# Altium PCB PCB.PcbDoc (part 2 of 3) (continued)
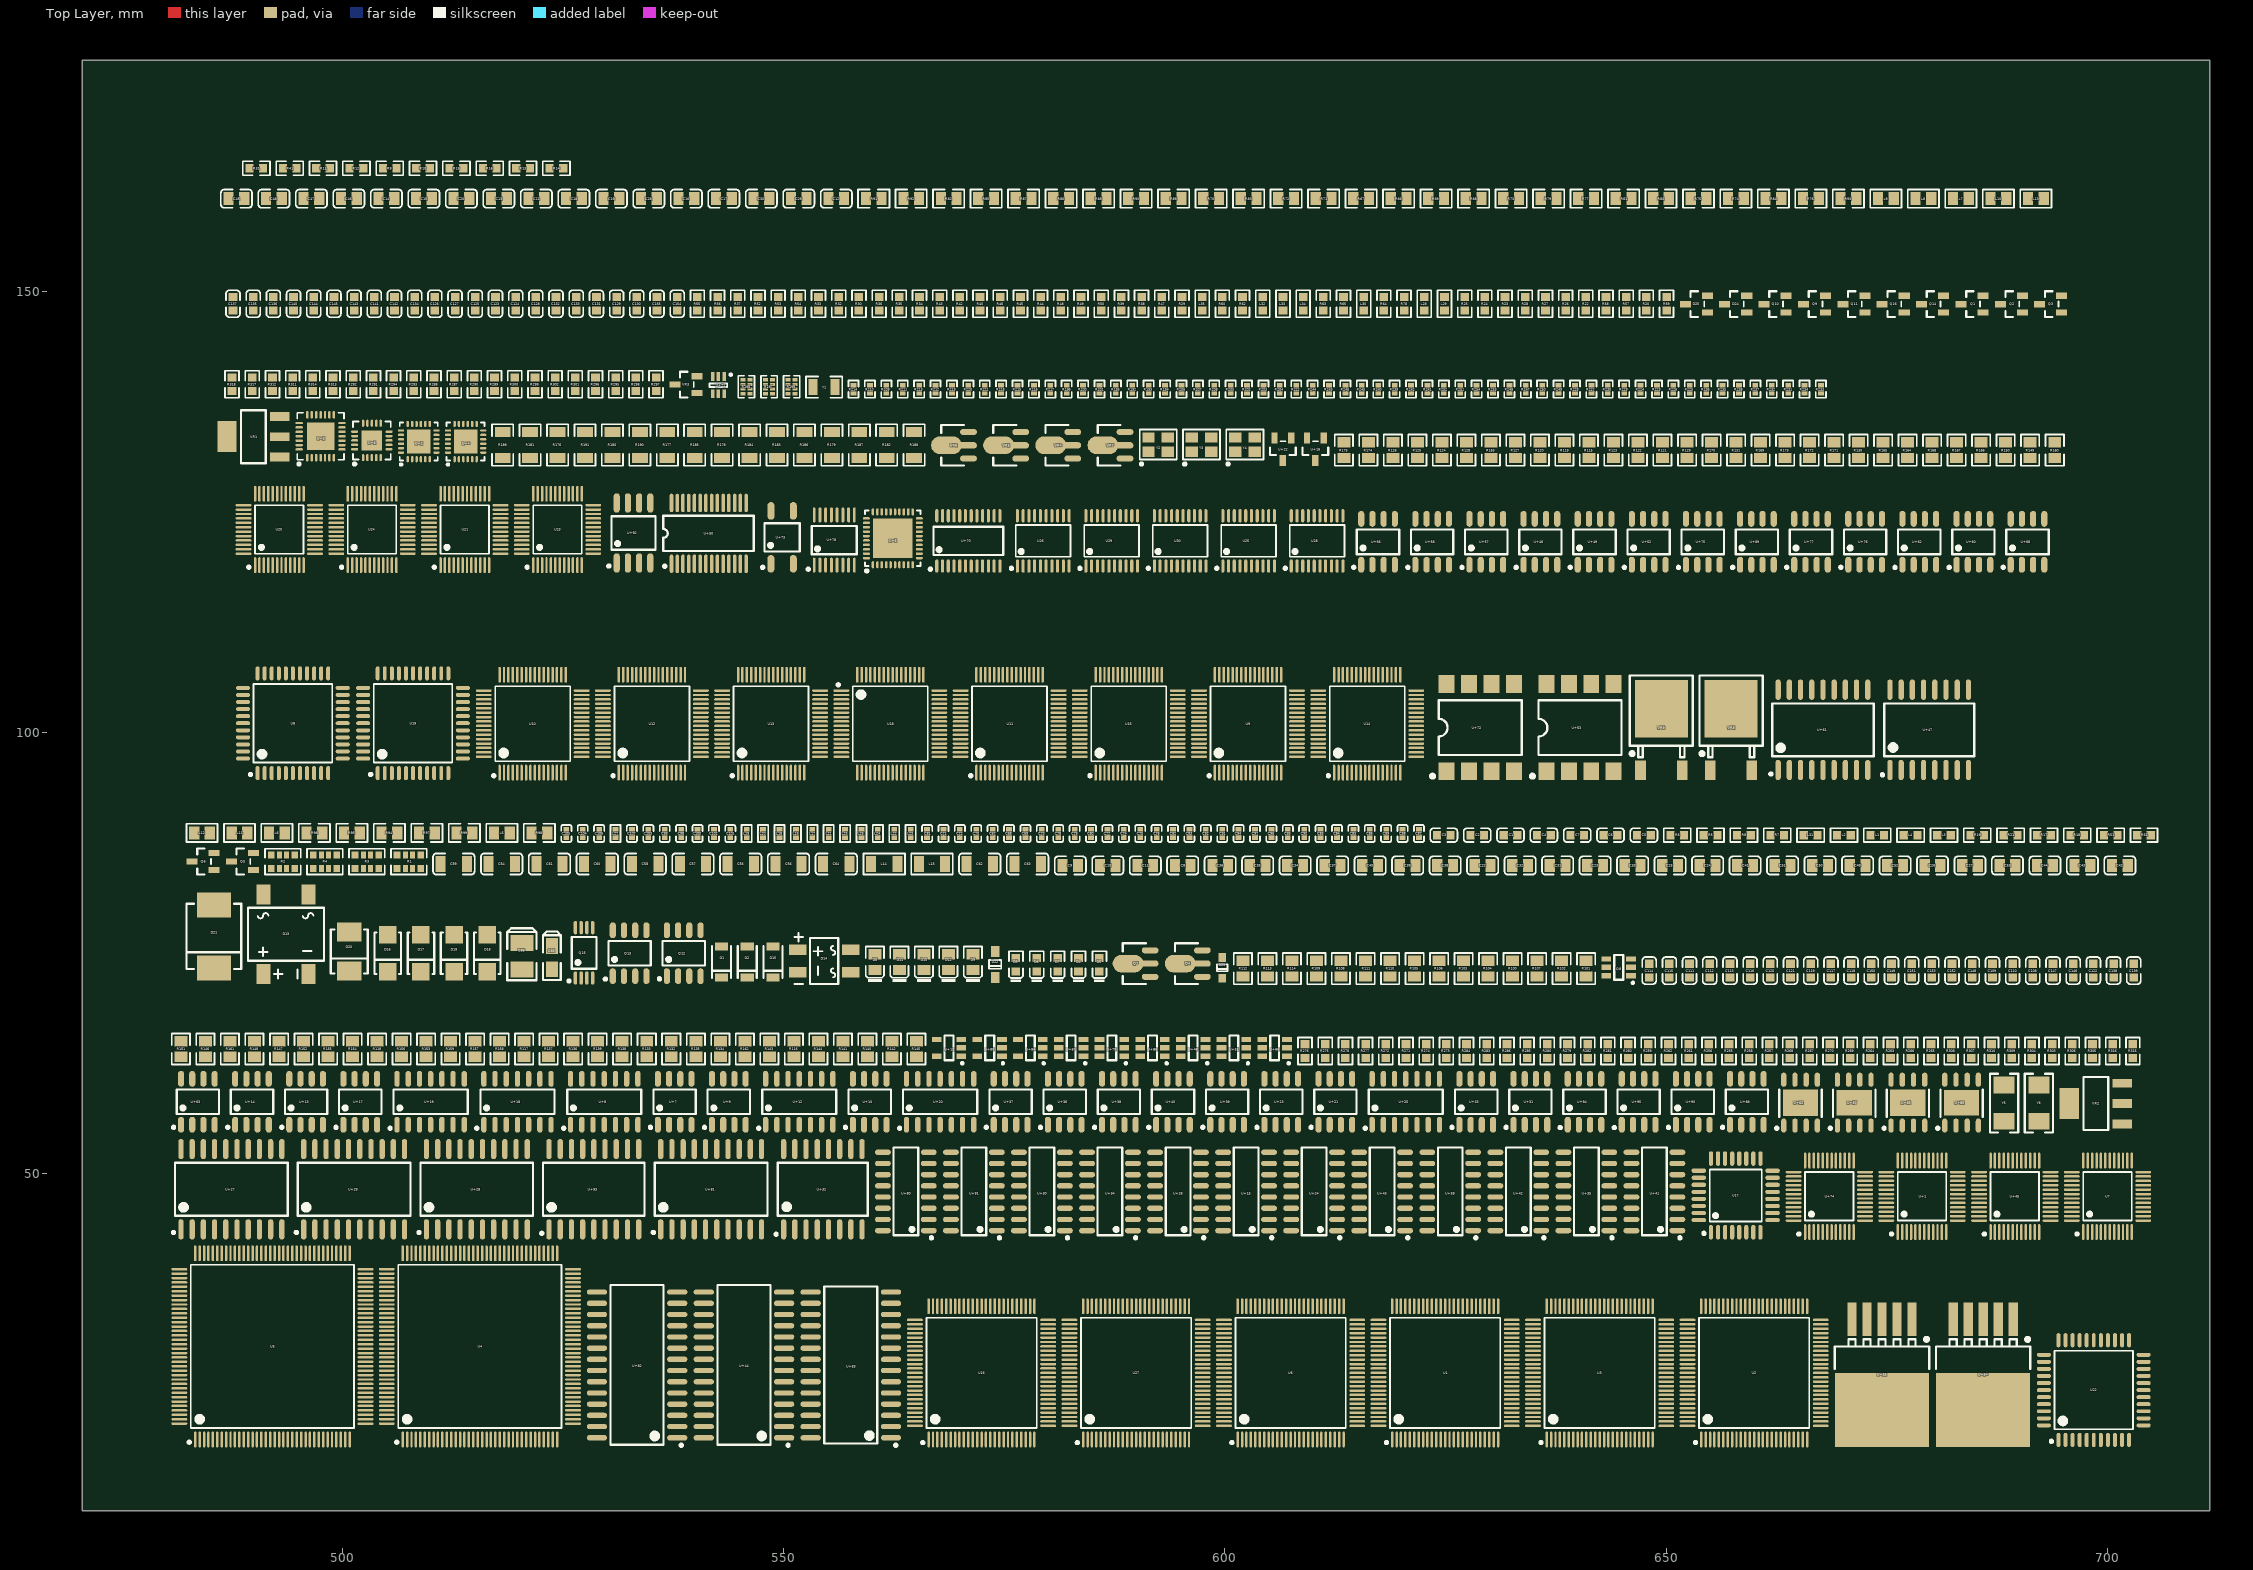
[diagram p0: Top Layer view]
## Part data (continued)
C54: library part "1206 100nF (104) 10% 50V", "贴片电容"
C55: library part "1206 10nF (103) 10% 50V", "贴片电容"
C56: library part "1206 10uF (106) 10% 50V", "贴片电容"
C57: library part "1206 1nF (102) 10% 500V", "贴片电容"
C58: library part "1206 1uF (105) 10% 50V", "贴片电容"
C59: library part "1206 2.2uF (225) 10% 50V", "贴片电容"
C60: library part "1206 220nF (224) 10% 50V", "贴片电容"
C61: library part "1206 220pF (221) 10% 50V", "贴片电容"
C62: library part "1206 4.7uF (475) 10% 50V", "贴片电容"
C63: library part "1206 470nF (474) 10% 50V", "贴片电容"
C64: library part "1206 470pF (471) 10% 50V", "贴片电容"
C65: library part "3216 10uF (106) 10% 16V", "钽电容"
C66: library part "3528 100uF (107) 10% 6.3V", "钽电容"
C67: library part "0402 1.0uF (105) 10% 25V", "贴片电容"
C68: library part "0402 1.5nF (152) 10% 50V", "贴片电容"
C69: library part "0402 1.5pF (1R5) 0.25pF 50V", "贴片电容"
C70: library part "0402 100nF (104) 10% 16V", "贴片电容"
C71: library part "0402 100pF (101) 5% 50V", "贴片电容"
C72: library part "0402 10nF (103) 10% 50V", "贴片电容"
C73: library part "0402 10pF (100) 5% 50V", "贴片电容"
C74: library part "0402 10uF (106) 20% 6.3V", "贴片电容"
C75: library part "0402 12pF (120) 5% 50V", "贴片电容"
C76: library part "0402 150pF (151) 10% 50V", "贴片电容"
C77: library part "0402 15pF (150) 5% 50V", "贴片电容"
C78: library part "0402 18pF (180) 5% 50V", "贴片电容"
C79: library part "0402 1nF (102) 10% 50V", "贴片电容"
C80: library part "0402 1pF (1R0) 0.25pF 50V", "贴片电容"
C81: library part "0402 2.0pF (2R0) 0.25pF 50V", "贴片电容"
C82: library part "0402 2.2nF (222) 10% 50V", "贴片电容"
C83: library part "0402 2.2pF (2R2) 0.25pF 50V", "贴片电容"
C84: library part "0402 2.7pF (2R7) 0.25pF 50V", "贴片电容"
C85: library part "0402 20pF (200) 5% 50V", "贴片电容"
C86: library part "0402 220nF (224) 10% 16V", "贴片电容"
C87: library part "0402 220pF (221) 10% 50V", "贴片电容"
C88: library part "0402 22nF (223) 10% 50V", "贴片电容"
C89: library part "0402 22pF (220) 5% 50V", "贴片电容"
C90: library part "0402 27pF (270) 5% 50V", "贴片电容"
C91: library part "0402 3.3nF (332) 10% 50V", "贴片电容"
C92: library part "0402 3.3pF (3R3) 0.25pF 50V", "贴片电容"
C93: library part "0402 30pF (300) 5% 50V", "贴片电容"
C94: library part "0402 330pF (331) 5% 50V", "贴片电容"
C95: library part "0402 33nF (333) 20% 50V", "贴片电容"
C96: library part "0402 33pF (330) 5% 50V", "贴片电容"
C97: library part "0402 4.7nF (472) 10% 50V", "贴片电容"
C98: library part "0402 4.7pF (4R7) 0.25pF 50V", "贴片电容"
C99: library part "0402 4.7uF (475) 20% 10V", "贴片电容"
C100: library part "0402 470nF (474) 10% 10V", "贴片电容"
C101: library part "0402 470pF (471) 10% 50V", "贴片电容"
C102: library part "0402 47pF (470) 5% 50V", "贴片电容"
C103: library part "0402 56pF (560) 5% 50V", "贴片电容"
C104: library part "0402 6.0pF (6R0) 0.25pF 50V NPO", "贴片电容"
C105: library part "0402 6.8nF (682) 10% 50V", "贴片电容"
C106: library part "0402 6.8pF (6R8) 0.25pF 50V", "贴片电容"
C107: library part "0402 68pF (680) 5% 50V", "贴片电容"
C108: library part "0603 1.0pF (010) 0.25pF 50V", "贴片电容"
C109: library part "0603 1.2nF (122) 10% 50V", "贴片电容"
C110: library part "0603 1.5nF (152) 10% 50V", "贴片电容"
C111: library part "0603 1.5pF (1R5) 0.25pF 50V", "贴片电容"
C112: library part "0603 100nF (104) 10% 50V", "贴片电容"
C113: library part "0603 100pF (101) 5% 50V", "贴片电容"
C114: library part "0603 10nF (103) 10% 50V", "贴片电容"
C115: library part "0603 10pF (100) 5% 50V", "贴片电容"
C116: library part "0603 10uF (106) 10% 10V", "贴片电容"
C117: library part "0603 12nF (123) 10% 50V", "贴片电容"
C118: library part "0603 12pF (120) 5% 50V", "贴片电容"
C119: library part "0603 150pF (151) 10% 50V", "贴片电容"
C120: library part "0603 15nF (153) 10% 50V", "贴片电容"
C121: library part "0603 15pF (150) 5% 50V", "贴片电容"
C122: library part "0603 18pF (180) 5% 50V", "贴片电容"
C123: library part "0603 1nF (102) 10% 50V", "贴片电容"
C124: library part "0603 1uF (105) 10% 50V", "贴片电容"
C125: library part "0603 2.0pF (020) 0.25pF 50V", "贴片电容"
C126: library part "0603 2.2nF (222) 10% 50V", "贴片电容"
C127: library part "0603 2.2uF (225) 10% 16V", "贴片电容"
C128: library part "0603 2.7nF (272) 10% 50V", "贴片电容"
C129: library part "0603 2.7pF (2R7) 0.25pF 50V", "贴片电容"
C130: library part "0603 200pF (201) 10% 50V", "贴片电容"
C131: library part "0603 20pF (200) 5% 50V", "贴片电容"
C132: library part "0603 220nF (224) 10% 25V", "贴片电容"
C133: library part "0603 220pF (221) 10% 50V", "贴片电容"
C134: library part "0603 22nF (223) 10% 50V", "贴片电容"
C135: library part "0603 22pF (220) 5% 50V", "贴片电容"
C136: library part "0603 22uF (226) 20% 6.3V", "贴片电容"
C137: library part "0603 27nF (273) 20% 50V", "贴片电容"
C138: library part "0603 27pF (270) 5% 50V", "贴片电容"
C139: library part "0603 3.3nF (332) 10% 50V", "贴片电容"
C140: library part "0603 30pF (300) 5% 50V", "贴片电容"
C141: library part "0603 330nF (334) 10% 25V", "贴片电容"
C142: library part "0603 330pF (331) 5% 50V", "贴片电容"
C143: library part "0603 33nF (333) 10% 50V", "贴片电容"
C144: library part "0603 33pF (330) 5% 50V", "贴片电容"
C145: library part "0603 3pF (3R0) 0.25pF 50V", "贴片电容"
C146: library part "0603 4.7nF (472) 10% 50V", "贴片电容"
C147: library part "0603 4.7pF (4R7) 0.25pF 50V", "贴片电容"
C148: library part "0603 4.7uF (475) 10% 16V", "贴片电容"
C149: library part "0603 470nF (474) 10% 25V", "贴片电容"
C150: library part "0603 470pF (471) 10% 50V", "贴片电容"
C151: library part "0603 47nF (473) 10% 50V", "贴片电容"
C152: library part "0603 47pF (470) 5% 50V", "贴片电容"
C153: library part "0603 56pF (560) 5% 50V", "贴片电容"
C154: library part "0603 6.8nF (682) 10% 50V", "贴片电容"
C155: library part "0603 6.8pF (6R8) 0.25pF 50V", "贴片电容"
D1: library part "LL-34 ZMM3V3", "稳压二极管"
D2: library part "LL-34 ZMM5V6", "稳压二极管"
D3: library part "0603 白灯", "发光二极管"
D4: library part "0603 红灯", "发光二极管"
D5: library part "0603 绿灯", "发光二极管"
D6: library part "0603 蓝灯", "发光二极管"
D7: library part "0603 黄灯", "发光二极管"
D8: library part "0805 白灯", "发光二极管"
D9: library part "0805 红灯", "发光二极管"
D10: library part "0805 翠绿", "发光二极管"
D11: library part "0805 蓝灯", "发光二极管"
D12: library part "0805 黄灯", "发光二极管"
D13: library part "DBS DB107S", "整流桥"
D14: library part "MBS MB10S", "整流桥"
D15: library part "LL-34 LL4148 LL-34 1206", "开关二极管"
D16: library part "SMA(DO-214AC) M7", "二极管"
D17: library part "SMA(DO-214AC) SS210", "二极管"
D18: library part "SMA(DO-214AC) SS54", "二极管"
D19: library part "SMA(DO-214AC) US1M", "二极管"
D20: library part "SMB/DO-214AA P6SMB6.8CA", "TVS"
D21: library part "SMC(DO-214AB) SS36-E3/57T", "二极管"
D22: library part "SOD-123 B5819W  SL", "肖特基二极管"
D23: library part "SOD-323 1N4148WS T4", "二极管"
D24: library part "SOT-23 BAV70 A4", "开关二极管"
D25: library part "SOT-23 BAV99 A7W", "开关二极管"
L1: library part "0603 4.7uH 10%", "贴片电感"
L2: library part "0603 47nH", "贴片电感"
L3: library part "0603 68nH 5% 0603", "贴片电感"
L4: library part "0603 8.2nH 5%", "贴片电感"
L5: library part "0805 100uH 10%", "贴片电感"
L6: library part "0805 100Ω 25% 100MHz", "贴片磁珠"
L7: library part "0805 10uH 10%", "贴片电感"
L8: library part "0805 1uH 10%", "贴片电感"
L9: library part "0805 2.2uH 10%", "贴片电感"
L10: library part "0805 22uH 10%", "贴片电感"
L11: library part "0805 3.3uH10%", "贴片电感"
L12: library part "0805 47uH 10%", "贴片电感"
L13: library part "0805 600Ω 25% 100MHz", "贴片磁珠"
L14: library part "1206 10uH 10%", "贴片电感"
L15: library part "1206 4.7uH  10%", "贴片电感"
L16: library part "0402 10nH 5%", "贴片电感"
L17: library part "0402 12nH  5%", "贴片电感"
L18: library part "0402 15nH 5%", "贴片电感"
L19: library part "0402 18nH", "贴片电感"
L20: library part "0402 2.7nH 0.3nH", "贴片电感"
L21: library part "0402 27nH 5%", "贴片电感"
L22: library part "0402 3.3nH 0.3nH", "贴片电感"
L23: library part "0402 3.9nH 3%", "贴片电感"
L24: library part "0402 39nH", "贴片电感"
L25: library part "0402 4.7nH 0.3nH", "贴片电感"
L26: library part "0402 6.8nH 5%", "贴片电感"
L27: library part "0402 8.2nH 5%", "贴片电感"
L28: library part "0603 10nH 5%", "贴片电感"
L29: library part "0603 10uH 10%", "贴片电感"
L30: library part "0603 12nH 5%", "贴片电感"
L31: library part "0603 22nH 5%", "贴片电感"
L32: library part "0603 27nH 5%", "贴片电感"
L33: library part "0603 3.9nH 0.3nH", "贴片电感"
L34: library part "0603 33nH 5%", "贴片电感"
L35: library part "0603 4.7nH 0.3nH", "贴片电感"
Q1: library part "SOT-23 2SC3356-T1B-A    S/YS档", "三极管"
Q2: library part "SOT-23 MMBT5551  G1", "三极管"
Q3: library part "SOT-23 SS8050 Y1", "三极管"
Q4: library part "SOT-89 D882", "三极管"
Q5: library part "SOT-23 MMBT5401 2L", "三极管"
Q6: library part "SOT-23 SS8550 Y2", "三极管"
Q7: library part "SOT-89 B772 160-320", "三极管"
Q8 Q9 Q10 Q11 Q12 Q13 Q14 Q15 Q16: "MOS(场效应管)"
R1: library part "0603*4  10KΩ (103) 5%", "贴片排阻"
R2: library part "0603*4  1KΩ (102) 5%", "贴片排阻"
R3: library part "0603*4  4.7KΩ (472) 5%", "贴片排阻"
R4: library part "0603*4 470Ω (471) 5%", "贴片排阻"
R5: library part "0603 330KΩ (3303) 1%", "贴片电阻"
R6: library part "0603 330Ω (3300) 1%", "贴片电阻"
R7: library part "0603 33KΩ (3302) 1%", "贴片电阻"
R8: library part "0603 33Ω (33R0) 1%", "贴片电阻"
R9: library part "0603 360KΩ (3603) 1%", "贴片电阻"
R10: library part "0603 360Ω (3600) 1%", "贴片电阻"
R11: library part "0603 36KΩ (3602) 1%", "贴片电阻"
R12: library part "0603 390KΩ (3903) 1%", "贴片电阻"
R13: library part "0603 390Ω (3900) 1%", "贴片电阻"
R14: library part "0603 39KΩ (3902) 1%", "贴片电阻"
R15: library part "0603 3KΩ (3001) 1%", "贴片电阻"
R16: library part "0603 3MΩ (3004) 1%", "贴片电阻"
R17: library part "0603 4.3KΩ (4301) 1%", "贴片电阻"
R18: library part "0603 4.7KΩ (4701) 1%", "贴片电阻"
R19: library part "0603 4.7MΩ (4704) 1%", "贴片电阻"
R20: library part "0603 4.7Ω (4R70) 1%", "贴片电阻"
R21: library part "0603 4.99KΩ (4991) 1%", "贴片电阻"
R22: library part "0603 40.2KΩ (4022) 1%", "贴片电阻"
R23: library part "0603 430KΩ (4303) 1%", "贴片电阻"
R24: library part "0603 430Ω (4300) 1%", "贴片电阻"
R25: library part "0603 43KΩ (4302) 1%", "贴片电阻"
R26: library part "0603 470KΩ (4703) 1%", "贴片电阻"
R27: library part "0603 470Ω (4700) 1%", "贴片电阻"
R28: library part "0603 47KΩ (4702) 1%", "贴片电阻"
R29: library part "0603 47Ω (47R0) 1%", "贴片电阻"
R30: library part "0603 49.9KΩ (4992) 1%", "贴片电阻"
R31: library part "0603 49.9Ω (49R9) 1%", "贴片电阻"
R32: library part "0603 5.1KΩ (5101) 1%", "贴片电阻"
R33: library part "0603 5.1MΩ (5104) 1%", "贴片电阻"
R34: library part "0603 5.1Ω (5R10) 1%", "贴片电阻"
R35: library part "0603 5.6KΩ (5601) 1%", "贴片电阻"
R36: library part "0603 510KΩ (5103) 1%", "贴片电阻"
R37: library part "0603 510Ω (5100) 1%", "贴片电阻"
R38: library part "0603 51KΩ (5102) 1%", "贴片电阻"
R39: library part "0603 51Ω (51R0) 1%", "贴片电阻"
R40: library part "0603 560KΩ (5603) 1%", "贴片电阻"
R41: library part "0603 560Ω (5600) 1%", "贴片电阻"
R42: library part "0603 56KΩ (5602) 1%", "贴片电阻"
R43: library part "0603 56Ω (56R0) 1%", "贴片电阻"
R44: library part "0603 6.2KΩ (6201) 1%", "贴片电阻"
R45: library part "0603 6.8KΩ (6801) 1%", "贴片电阻"
R46: library part "0603 620KΩ (6203) 1%", "贴片电阻"
R47: library part "0603 620Ω (6200) 1%", "贴片电阻"
R48: library part "0603 62KΩ (6202) 1%", "贴片电阻"
R49: library part "0603 680KΩ (6803) 1%", "贴片电阻"
R50: library part "0603 680Ω (6800) 1%", "贴片电阻"
R51: library part "0603 68KΩ (6802) 1%", "贴片电阻"
R52: library part "0603 68Ω (68R0) 1%", "贴片电阻"
R53: library part "0603 7.5KΩ (7501) 1%", "贴片电阻"
R54: library part "0603 750KΩ (7503) 1%", "贴片电阻"
R55: library part "0603 750Ω (7500) 1%", "贴片电阻"
R56: library part "0603 75KΩ (7502) 1%", "贴片电阻"
R57: library part "0603 75Ω (75R0) 1%", "贴片电阻"
R58: library part "0603 8.2KΩ (8201) 1%", "贴片电阻"
R59: library part "0603 820Ω (8200) 1%", "贴片电阻"
R60: library part "0603 82KΩ (8202) 1%", "贴片电阻"
R61: library part "0603 82Ω (82R0) 1%", "贴片电阻"
R62: library part "0603 9.1KΩ (9101) 1%", "贴片电阻"
R63: library part "0603 910Ω (9100) 1%", "贴片电阻"
R64: library part "0603 91KΩ (9102) 1%", "贴片电阻"
R65: library part "0603 91Ω (91R0) 1%", "贴片电阻"
R66: library part "0805 0Ω (0R0) 1%", "贴片电阻"
R67: library part "0805 1.2KΩ (1201) 1%", "贴片电阻"
R68: library part "0805 1.2MΩ (1204) 1%", "贴片电阻"
R69: library part "0805 1.5KΩ (1501) 1%", "贴片电阻"
R70: library part "0805 1.5MΩ (1504) 1%", "贴片电阻"
R71: library part "0805 1.8KΩ (1801) 1%", "贴片电阻"
R72: library part "0805 1.8MΩ (1804) 1%", "贴片电阻"
R73: library part "0805 100KΩ (1003) 1%", "贴片电阻"
R74: library part "0805 100Ω (1000) 1%", "贴片电阻"
R75: library part "0805 10KΩ (1002) 1%", "贴片电阻"
R76: library part "0805 10MΩ (1005) 1%", "贴片电阻"
R77: library part "0805 10Ω (10R0) 1%", "贴片电阻"
R78: library part "0603 30KΩ (3002) 1%", "贴片电阻"
R79: library part "0805 110KΩ (1103) 1%", "贴片电阻"
R80: library part "0805 11KΩ (1102) 1%", "贴片电阻"
R81: library part "0805 120KΩ (1203) 1%", "贴片电阻"
R82: library part "0805 120Ω (1200) 1%", "贴片电阻"
R83: library part "0805 12KΩ (1202) 1%", "贴片电阻"
R84: library part "0805 13KΩ (1302) 1%", "贴片电阻"
R85: library part "0805 150KΩ (1503) 1%", "贴片电阻"
R86: library part "0805 150Ω (1500) 1%", "贴片电阻"
R87: library part "0805 15KΩ (1502) 1%", "贴片电阻"
R88: library part "0805 15Ω (15R0) 1%", "贴片电阻"
R89: library part "0805 16KΩ (1602) 1%", "贴片电阻"
R90: library part "0805 180KΩ (1803) 1%", "贴片电阻"
R91: library part "0805 180Ω (1800) 1%", "贴片电阻"
R92: library part "0805 18KΩ (1802) 1%", "贴片电阻"
R93: library part "0805 1KΩ (1001) 1%", "贴片电阻"
R94: library part "0805 1MΩ (1004) 1%", "贴片电阻"
R95: library part "0805 1Ω (1R00) 1%", "贴片电阻"
R96: library part "0805 2.2KΩ (2201) 1%", "贴片电阻"
R97: library part "0805 2.2MΩ (2204) 1%", "贴片电阻"
R98: library part "0805 2.2Ω (2R20) 1%", "贴片电阻"
R99: library part "0805 2.4KΩ (2401) 1%", "贴片电阻"
R100: library part "0805 2.7KΩ (2701) 1%", "贴片电阻"
R101: library part "0805 200KΩ (2003) 1%", "贴片电阻"
R102: library part "0805 200Ω (2000) 1%", "贴片电阻"
R103: library part "0805 20KΩ (2002) 1%", "贴片电阻"
R104: library part "0805 20Ω (20R0) 1%", "贴片电阻"
R105: library part "0805 220KΩ (2203) 1%", "贴片电阻"
R106: library part "0805 220Ω (2200) 1%", "贴片电阻"
R107: library part "0805 22KΩ (2202) 1%", "贴片电阻"
R108: library part "0805 22Ω (22R0) 1%", "贴片电阻"
R109: library part "0805 240KΩ (2403) 1%", "贴片电阻"
R110: library part "0805 240Ω (2400) 1%", "贴片电阻"
R111: library part "0805 24KΩ (2402) 1%", "贴片电阻"
R112: library part "0805 270KΩ (2703) 1%", "贴片电阻"
R113: library part "0805 270Ω (2700) 1%", "贴片电阻"
R114: library part "0805 27KΩ (2702) 1%", "贴片电阻"
R115: library part "0805 27Ω (27R0) 1%", "贴片电阻"
R116: library part "0805 2KΩ (2001) 1%", "贴片电阻"
R117: library part "0805 2MΩ (2004) 1%", "贴片电阻"
R118: library part "0805 2Ω (2R00) 1%", "贴片电阻"
R119: library part "0805 3.3KΩ (3301) 1%", "贴片电阻"
R120: library part "0805 3.6KΩ (3601) 1%", "贴片电阻"
R121: library part "0805 3.9KΩ (3901) 1%", "贴片电阻"
R122: library part "0805 300KΩ (3003) 1%", "贴片电阻"
R123: library part "0805 300Ω (3000) 1%", "贴片电阻"
R124: library part "0805 330KΩ (3303) 1%", "贴片电阻"
R125: library part "0805 330Ω (3300) 1%", "贴片电阻"
R126: library part "0805 33KΩ (3302) 1%", "贴片电阻"
R127: library part "0805 33Ω (33R0) 1%", "贴片电阻"
R128: library part "0805 36KΩ (3602) 1%", "贴片电阻"
R129: library part "0805 390KΩ (3903) 1%", "贴片电阻"
R130: library part "0805 390Ω (3900) 1%", "贴片电阻"
R131: library part "0805 39KΩ (3902) 1%", "贴片电阻"
R132: library part "0805 3KΩ (3001) 1%", "贴片电阻"
R133: library part "0805 3MΩ (305) 5%", "贴片电阻"
R134: library part "0805 4.3KΩ (4301) 1%", "贴片电阻"
R135: library part "0805 4.7KΩ (4701) 1%", "贴片电阻"
R136: library part "0805 4.7MΩ (4704) 1%", "贴片电阻"
R137: library part "0805 4.7Ω (4R70) 1%", "贴片电阻"
R138: library part "0805 4.99KΩ (4991) 1%", "贴片电阻"
R139: library part "0805 40.2KΩ (4022) 1%", "贴片电阻"
R140: library part "0805 43KΩ (4302) 1%", "贴片电阻"
R141: library part "0805 470KΩ (4703) 1%", "贴片电阻"
R142: library part "0805 470Ω (4700) 1%", "贴片电阻"
R143: library part "0805 47KΩ (4702) 1%", "贴片电阻"
R144: library part "0805 47Ω (47R0) 1%", "贴片电阻"
R145: library part "0805 49.9KΩ (4992) 1%", "贴片电阻"
R146: library part "0805 49.9Ω (49R9) 1%", "贴片电阻"
R147: library part "0805 5.1KΩ (5101) 1%", "贴片电阻"
R148: library part "0805 5.1MΩ (5104) 1%", "贴片电阻"
R149: library part "0805 5.1Ω (5R10) 1%", "贴片电阻"
R150: library part "0805 5.6KΩ (5601) 1%", "贴片电阻"
R151: library part "0805 510KΩ (5103) 1%", "贴片电阻"
R152: library part "0805 510Ω (5100) 1%", "贴片电阻"
R153: library part "0805 51KΩ (5102) 1%", "贴片电阻"
R154: library part "0805 51Ω (51R0) 1%", "贴片电阻"
R155: library part "0805 560KΩ (5603) 1%", "贴片电阻"
R156: library part "0805 560Ω (5600) 1%", "贴片电阻"
R157: library part "0805 56KΩ (5602) 1%", "贴片电阻"
R158: library part "0805 56Ω (56R0) 1%", "贴片电阻"
R159: library part "0805 6.2KΩ (6201) 1%", "贴片电阻"
R160: library part "0805 6.8KΩ (6801) 1%", "贴片电阻"
R161: library part "0805 62KΩ (6202) 1%", "贴片电阻"
R162: library part "0805 680KΩ (6803) 1%", "贴片电阻"
R163: library part "0805 680Ω (6800) 1%", "贴片电阻"
R164: library part "0805 68KΩ (6802) 1%", "贴片电阻"
R165: library part "0805 68Ω (68R0) 1%", "贴片电阻"
R166: library part "0805 7.5KΩ (7501) 1%", "贴片电阻"
R167: library part "0805 750Ω (7500) 1%", "贴片电阻"
R168: library part "0805 75KΩ (7502) 1%", "贴片电阻"
R169: library part "0805 75Ω (75R0) 1%", "贴片电阻"
R170: library part "0805 8.2KΩ (8201) 1%", "贴片电阻"
R171: library part "0805 820Ω (8200) 1%", "贴片电阻"
R172: library part "0805 82KΩ (8202) 1%", "贴片电阻"
R173: library part "0805 82Ω (82R0) 1%", "贴片电阻"
R174: library part "0805 9.1KΩ (9101) 1%", "贴片电阻"
R175: library part "0805 91KΩ (9102) 1%", "贴片电阻"
R176: library part "1206 0.1Ω (R100) 1%", "贴片电阻"
R177: library part "1206 0Ω (0R0) 1%", "贴片电阻"
R178: library part "1206 1.2MΩ (1204) 1%", "贴片电阻"
R179: library part "1206 100KΩ (1003) 1%", "贴片电阻"
R180: library part "1206 100Ω (1000) 1%", "贴片电阻"
R181: library part "1206 10KΩ (1002) 1%", "贴片电阻"
R182: library part "1206 10Ω (10R0) 1%", "贴片电阻"
R183: library part "1206 180Ω (1800) 1%", "贴片电阻"
R184: library part "1206 1KΩ (1001) 1%", "贴片电阻"
R185: library part "1206 1Ω (1R00) 1%", "贴片电阻"
R186: library part "1206 20Ω (20R0) 1%", "贴片电阻"
R187: library part "1206 22Ω (22R0) 1%", "贴片电阻"
R188: library part "1206 2KΩ (2001) 1%", "贴片电阻"
R189: library part "1206 300Ω (3000) 1%", "贴片电阻"
R190: library part "1206 4.7KΩ (4701) 1%", "贴片电阻"
R191: library part "1206 750Ω (7500) 1%", "贴片电阻"
R192: library part "0402 0Ω (0R0) 1%", "贴片电阻"
R193: library part "0402 1.2KΩ (1201) 1%", "贴片电阻"
R194: library part "0402 1.5KΩ (1501) 1%", "贴片电阻"
R195: library part "0402 100KΩ (1003) 1%", "贴片电阻"
R196: library part "0402 100Ω (1000) 1%", "贴片电阻"
R197: library part "0402*4 10KΩ (103) 5%", "贴片排阻"
R198: library part "0402*4 1KΩ (102) 5%", "贴片排阻"
R199: library part "0402*4 33Ω (330) 5%", "贴片排阻"
R200: library part "0402 10KΩ (1002) 1%", "贴片电阻"
R201: library part "0402 10MΩ (1005) 1%", "贴片电阻"
R202: library part "0402 10Ω (10R0) 1%", "贴片电阻"
R203: library part "0402 120KΩ (1203) 1%", "贴片电阻"
R204: library part "0402 120Ω (1200) 1%", "贴片电阻"
R205: library part "0402 12KΩ (1202) 1%", "贴片电阻"
R206: library part "0402 150KΩ (1503) 1%", "贴片电阻"
R207: library part "0402 150Ω (1500) 1%", "贴片电阻"
R208: library part "0402 15KΩ (1502) 1%", "贴片电阻"
R209: library part "0402 18KΩ (1802) 1%", "贴片电阻"
R210: library part "0402 1KΩ (1001) 1%", "贴片电阻"
R211: library part "0402 1MΩ (1004) 1%", "贴片电阻"
R212: library part "0402 1Ω (1R00) 1%", "贴片电阻"
R213: library part "0402 2.2KΩ (2201) 1%", "贴片电阻"
R214: library part "0402 2.4KΩ (2401) 1%", "贴片电阻"
R215: library part "0402 200KΩ (2003) 1%", "贴片电阻"
R216: library part "0402 200Ω (2000) 1%", "贴片电阻"
R217: library part "0402 20KΩ (2002) 1%", "贴片电阻"
R218: library part "0402 220KΩ (2203) 1%", "贴片电阻"
R219: library part "0402 220Ω (2200) 1%", "贴片电阻"
R220: library part "0402 22KΩ (2202) 1%", "贴片电阻"
R221: library part "0402 22Ω (22R0) 1%", "贴片电阻"
R222: library part "0402 24KΩ (2402) 1%", "贴片电阻"
R223: library part "0402 27KΩ (2702) 1%", "贴片电阻"
R224: library part "0402 2KΩ (2001) 1%", "贴片电阻"
R225: library part "0402 3.3KΩ (3301) 1%", "贴片电阻"
R226: library part "0402 3.9KΩ(3901) 1%", "贴片电阻"
R227: library part "0402 300KΩ (3003) 1%", "贴片电阻"
R228: library part "0402 300Ω (3000) 1%", "贴片电阻"
R229: library part "0402 330KΩ (3303) 1%", "贴片电阻"
R230: library part "0402 330Ω (3300) 1%", "贴片电阻"
R231: library part "0402 33KΩ (3302) 1%", "贴片电阻"
R232: library part "0402 33Ω (33R0) 1%", "贴片电阻"
R233: library part "0402 39KΩ (3902) 1%", "贴片电阻"
R234: library part "0402 4.7KΩ (4701) 1%", "贴片电阻"
R235: library part "0402 470KΩ (4703) 1%", "贴片电阻"
R236: library part "0402 470Ω (4700) 1%", "贴片电阻"
R237: library part "0402 47KΩ (4702) 1%", "贴片电阻"
R238: library part "0402 47Ω (47R0) 1%", "贴片电阻"
R239: library part "0402 49.9KΩ (4992) 1%", "贴片电阻"
R240: library part "0402 49.9Ω (49R9) 1%", "贴片电阻"
R241: library part "0402 5.1KΩ (5101) 1%", "贴片电阻"
R242: library part "0402 5.6KΩ (5601) 1%", "贴片电阻"
R243: library part "0402 510KΩ (5103) 1%", "贴片电阻"
R244: library part "0402 510Ω (5100) 1%", "贴片电阻"
R245: library part "0402 51KΩ (5102) 1%", "贴片电阻"
R246: library part "0402 51Ω (51R0) 1%", "贴片电阻"
R247: library part "0402 56KΩ (5602) 1%", "贴片电阻"
R248: library part "0402 6.8KΩ (6801) 1%", "贴片电阻"
R249: library part "0402 680Ω (6800) 1%", "贴片电阻"
R250: library part "0402 68KΩ (6802) 1%", "贴片电阻"
R251: library part "0402 7.5KΩ (7501) 1%", "贴片电阻"
R252: library part "0402 75KΩ (7502) 1%", "贴片电阻"
R253: library part "0402 75Ω (75R0) 1%", "贴片电阻"
R254: library part "0402 8.2KΩ (8201) 1%", "贴片电阻"
R255: library part "0603 0Ω (0R0) 1%", "贴片电阻"
R256: library part "0603 1.1KΩ (1101) 1%", "贴片电阻"
R257: library part "0603 1.2KΩ (1201) 1%", "贴片电阻"
R258: library part "0603 1.2MΩ (1204) 1%", "贴片电阻"
R259: library part "0603 1.5KΩ (1501) 1%", "贴片电阻"
R260: library part "0603 1.5MΩ (1504) 1%", "贴片电阻"
R261: library part "0603 1.8KΩ (1801) 1%", "贴片电阻"
R262: library part "0603 1.8MΩ (1804) 1%", "贴片电阻"
R263: library part "0603 100KΩ (1003) 1%", "贴片电阻"
R264: library part "0603 100Ω (1000) 1%", "贴片电阻"
R265: library part "0603 10KΩ (1002) 1%", "贴片电阻"
R266: library part "0603 10MΩ (1005) 1%", "贴片电阻"
R267: library part "0603 10Ω (10R0) 1%", "贴片电阻"
R268: library part "0603 110KΩ (1103) 1%", "贴片电阻"
R269: library part "0603 110Ω (1100) 1%", "贴片电阻"
R270: library part "0603 11KΩ (1102) 1%", "贴片电阻"
R271: library part "0603 120KΩ (1203) 1%", "贴片电阻"
R272: library part "0603 120Ω (1200) 1%", "贴片电阻"
R273: library part "0603 12KΩ (1202) 1%", "贴片电阻"
R274: library part "0603 130KΩ (1303) 1%", "贴片电阻"
R275: library part "0603 130Ω (1300) 1%", "贴片电阻"
R276: library part "0603 13KΩ (1302) 1%", "贴片电阻"
R277: library part "0603 150KΩ (1503) 1%", "贴片电阻"
R278: library part "0603 150Ω (1500) 1%", "贴片电阻"
R279: library part "0603 15KΩ (1502) 1%", "贴片电阻"
R280: library part "0603 15Ω (15R0) 1%", "贴片电阻"
R281: library part "0603 160KΩ (1603) 1%", "贴片电阻"
R282: library part "0603 160Ω (1600) 1%", "贴片电阻"
R283: library part "0603 16KΩ (1602) 1%", "贴片电阻"
R284: library part "0603 180KΩ (1803) 1%", "贴片电阻"
R285: library part "0603 180Ω (1800) 1%", "贴片电阻"
R286: library part "0603 18KΩ (1802) 1%", "贴片电阻"
R287: library part "0603 1KΩ (1001) 1%", "贴片电阻"
R288: library part "0603 1MΩ (1004) 1%", "贴片电阻"
R289: library part "0603 1Ω (1R00) 1%", "贴片电阻"
R290: library part "0603 2.2KΩ (2201) 1%", "贴片电阻"
R291: library part "0603 2.2MΩ (2204) 1%", "贴片电阻"
R292: library part "0603 2.2Ω (2R20) 1%", "贴片电阻"
R293: library part "0603 2.4KΩ (2401) 1%", "贴片电阻"
R294: library part "0603 2.7KΩ (2701) 1%", "贴片电阻"
R295: library part "0603 200KΩ (2003) 1%", "贴片电阻"
R296: library part "0603 200Ω (2000) 1%", "贴片电阻"
R297: library part "0603 20KΩ (2002) 1%", "贴片电阻"
R298: library part "0603 20Ω (20R0) 1%", "贴片电阻"
R299: library part "0603 220KΩ (2203) 1%", "贴片电阻"
R300: library part "0603 220Ω (2200) 1%", "贴片电阻"
R301: library part "0603 22KΩ (2202) 1%", "贴片电阻"
R302: library part "0603 22Ω (22R0) 1%", "贴片电阻"
R303: library part "0603 240KΩ (2403) 1%", "贴片电阻"
R304: library part "0603 240Ω (2400) 1%", "贴片电阻"
R305: library part "0603 24KΩ (2402) 1%", "贴片电阻"
R306: library part "0603 24Ω (24R0) 1%", "贴片电阻"
R307: library part "0603 270KΩ (2703) 1%", "贴片电阻"
R308: library part "0603 270Ω (2700) 1%", "贴片电阻"
R309: library part "0603 27KΩ (2702) 1%", "贴片电阻"
R310: library part "0603 27Ω (27R0) 1%", "贴片电阻"
R311: library part "0603 2KΩ (2001) 1%", "贴片电阻"
R312: library part "0603 2MΩ (2004) 1%", "贴片电阻"
R313: library part "0603 2Ω (2R00) 1%", "贴片电阻"
R314: library part "0603 3.3KΩ (3301) 1%", "贴片电阻"
R315: library part "0603 3.6KΩ (3601) 1%", "贴片电阻"
R316: library part "0603 3.9KΩ (3901) 1%", "贴片电阻"
R317: library part "0603 300KΩ (3003) 1%", "贴片电阻"
R318: library part "0603 300Ω (3000) 1%", "贴片电阻"
U1 U2 U3 U4 U5 U6 U10 U11 U12 U13 U15 U16 U20 U21 U23 U24 U26 U27: "ARM"
U7 U8 U9 U14 U17 U18 U19 U22 U25 U28 U29 U30: "MCU"
U+1: "LCD驱动"
U+2 U+31: "传感器"
U+3 U+4 U+15 U+44 U+50: "USB"
U+5 U+6: "无线"
U+7 U+8 U+11 U+12 U+13 U+75: "运放"
U+9: "通用运放"
U+10: "电压比较器"
U+14 U+56: "功放"
U+16 U+71 U+79: "TVS"
U+17 U+76 U+77: "RS-485/RS-422"
U+18 U+19 U+20 U+24 U+25 U+26 U+27 U+28 U+29 U+30 U+70: "74系列逻辑芯片"
U+21: "仪放"
U+22: "电压基准"
U+23: "精密运放"
U+32 U+34 U+35 U+45: "接口芯片"
U+33: "隔离器"
U+36 U+37 U+38 U+39 U+40 U+53 U+61: "CAN"
U+41 U+42 U+43: "4000系列逻辑芯片"
U+46 U+47 U+69: "实时时钟"
U+48: "电池保护芯片"
U+49 U+57 U+58: "EEPROM"
U+51 U+54 U+55 U+62 U+64 U+65 U+66 U+67 U+87 U+88 U+89 U+94 U+95: "DC-DCоƬ"
U+52 U+63: "电源芯片"